# Altium PCB PCB_v3.PcbDoc (part 1 of 7) (continued)
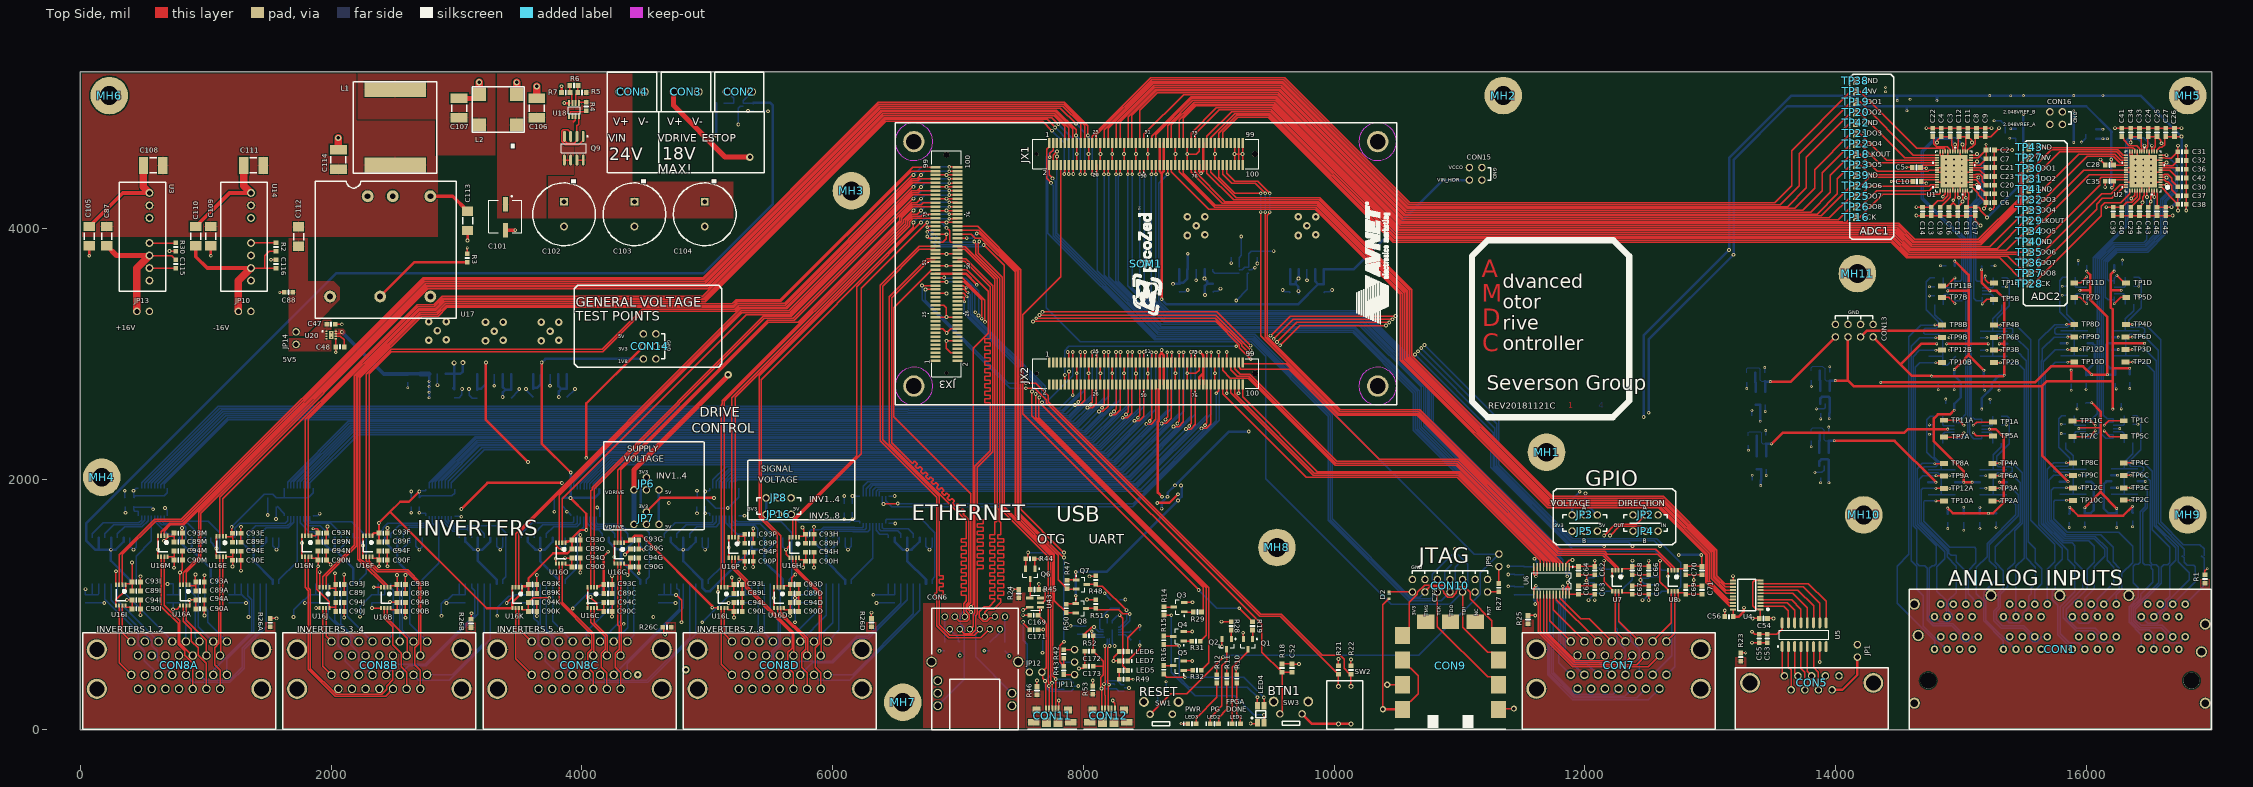
[diagram p0: Top Side view]
## Components (designator, comment, footprint, x,y, rotation, side; value= is the part's Value field where it differs from the comment) (continued)
C84 "Capacitor" 0603-CAP 12520,1255 r270 bottom value=100nF
C85 "Capacitor" 0603-CAP 9353.11,3771.54 r0 bottom value=1uF
C86 "Capacitor" 0603-CAP 9213.11,3771.54 r180 bottom value=1uF
C87 "Capacitor" 1808-CAP 210,3938.53 r270 top value="1000pF, 2kV"
C88 "Capacitor" 0603-CAP 1660,3490 r0 top value=10uF
C89A "Capacitor" 0603-CAP 955,1108.33 r180 top (schematic designator C89)
C89B "Capacitor" 0603-CAP 2559.24,1088.33 r180 top (schematic designator C89)
C89C "Capacitor" 0603-CAP 4207.15,1088.33 r180 top (schematic designator C89)
C89D "Capacitor" 0603-CAP 5695,1088.33 r180 top (schematic designator C89)
C89E "Capacitor" 0603-CAP 1246.77,1496.23 r180 top (schematic designator C89)
C89F "Capacitor" 0603-CAP 2415,1498.33 r180 top (schematic designator C89)
C89G "Capacitor" 0603-CAP 4420.54,1443.33 r180 top (schematic designator C89)
C89H "Capacitor" 0603-CAP 5817.54,1487.89 r180 top (schematic designator C89)
C89I "Capacitor" 0603-CAP 445,1108.33 r180 top (schematic designator C89)
C89J "Capacitor" 0603-CAP 2070,1088.33 r180 top (schematic designator C89)
C89K "Capacitor" 0603-CAP 3607.07,1088.33 r180 top (schematic designator C89)
C89L "Capacitor" 0603-CAP 5246.68,1088.33 r180 top (schematic designator C89)
C89M "Capacitor" 0603-CAP 780,1498.33 r180 top (schematic designator C89)
C89N "Capacitor" 0603-CAP 1928.88,1498.33 r180 top (schematic designator C89)
C89O "Capacitor" 0603-CAP 3954.02,1443.33 r180 top (schematic designator C89)
C89P "Capacitor" 0603-CAP 5333.18,1487.89 r180 top (schematic designator C89)
C90A "Capacitor" 0603-CAP 955,965 r0 top (schematic designator C90)
C90B "Capacitor" 0603-CAP 2559.24,945 r0 top (schematic designator C90)
C90C "Capacitor" 0603-CAP 4207.15,945 r0 top (schematic designator C90)
C90D "Capacitor" 0603-CAP 5695,945 r0 top (schematic designator C90)
C90E "Capacitor" 0603-CAP 1246.77,1352.89 r0 top (schematic designator C90)
C90F "Capacitor" 0603-CAP 2415,1355 r0 top (schematic designator C90)
C90G "Capacitor" 0603-CAP 4420.54,1300 r0 top (schematic designator C90)
C90H "Capacitor" 0603-CAP 5817.54,1344.56 r0 top (schematic designator C90)
C90I "Capacitor" 0603-CAP 445,965 r0 top (schematic designator C90)
C90J "Capacitor" 0603-CAP 2070,945 r0 top (schematic designator C90)
C90K "Capacitor" 0603-CAP 3607.07,945 r0 top (schematic designator C90)
C90L "Capacitor" 0603-CAP 5246.68,945 r0 top (schematic designator C90)
C90M "Capacitor" 0603-CAP 780,1355 r0 top (schematic designator C90)
C90N "Capacitor" 0603-CAP 1928.88,1355 r0 top (schematic designator C90)
C90O "Capacitor" 0603-CAP 3954.02,1300 r0 top (schematic designator C90)
C90P "Capacitor" 0603-CAP 5333.18,1344.56 r0 top (schematic designator C90)
C91A "Capacitor" 0603-CAP 6126.77,1806.75 r0 bottom value=100nF (schematic designator C91)
C91B "Capacitor" 0603-CAP 4951.91,1852.6 r0 bottom value=100nF (schematic designator C91)
C91C "Capacitor" 0603-CAP 3813.84,1852.6 r0 bottom value=100nF (schematic designator C91)
C91D "Capacitor" 0603-CAP 2669.84,1853.53 r0 bottom value=100nF (schematic designator C91)
C91E "Capacitor" 0603-CAP 1525,1850 r0 bottom value=100nF (schematic designator C91)
C91F "Capacitor" 0603-CAP 390,1855.46 r0 bottom value=100nF (schematic designator C91)
C92A "Capacitor" 0603-CAP 6126.77,1733.17 r180 bottom value=100nF (schematic designator C92)
C92B "Capacitor" 0603-CAP 4949.84,1780.53 r180 bottom value=100nF (schematic designator C92)
C92C "Capacitor" 0603-CAP 3813.84,1782.6 r180 bottom value=100nF (schematic designator C92)
C92D "Capacitor" 0603-CAP 2669.84,1781.67 r180 bottom value=100nF (schematic designator C92)
C92E "Capacitor" 0603-CAP 1526.54,1781.43 r180 bottom value=100nF (schematic designator C92)
C92F "Capacitor" 0603-CAP 389.63,1782.6 r180 bottom value=100nF (schematic designator C92)
C93A "Capacitor" 0603-CAP 955,1180 r180 top (schematic designator C93)
C93B "Capacitor" 0603-CAP 2559.24,1160 r180 top (schematic designator C93)
C93C "Capacitor" 0603-CAP 4207.15,1160 r180 top (schematic designator C93)
C93D "Capacitor" 0603-CAP 5695,1160 r180 top (schematic designator C93)
C93E "Capacitor" 0603-CAP 1246.77,1567.89 r180 top (schematic designator C93)
C93F "Capacitor" 0603-CAP 2415,1570 r180 top (schematic designator C93)
C93G "Capacitor" 0603-CAP 4420.54,1515 r180 top (schematic designator C93)
C93H "Capacitor" 0603-CAP 5817.54,1559.56 r180 top (schematic designator C93)
C93I "Capacitor" 0603-CAP 445,1180 r180 top (schematic designator C93)
C93J "Capacitor" 0603-CAP 2070,1160 r180 top (schematic designator C93)
C93K "Capacitor" 0603-CAP 3607.07,1160 r180 top (schematic designator C93)
C93L "Capacitor" 0603-CAP 5246.68,1160 r180 top (schematic designator C93)
C93M "Capacitor" 0603-CAP 780,1570 r180 top (schematic designator C93)
C93N "Capacitor" 0603-CAP 1928.88,1570 r180 top (schematic designator C93)
C93O "Capacitor" 0603-CAP 3954.02,1515 r180 top (schematic designator C93)
C93P "Capacitor" 0603-CAP 5333.18,1559.56 r180 top (schematic designator C93)
C94A "Capacitor" 0603-CAP 955,1036.67 r180 top (schematic designator C94)
C94B "Capacitor" 0603-CAP 2559.24,1016.67 r180 top (schematic designator C94)
C94C "Capacitor" 0603-CAP 4207.15,1016.67 r180 top (schematic designator C94)
C94D "Capacitor" 0603-CAP 5695,1016.67 r180 top (schematic designator C94)
C94E "Capacitor" 0603-CAP 1246.77,1424.56 r180 top (schematic designator C94)
C94F "Capacitor" 0603-CAP 2415,1426.67 r180 top (schematic designator C94)
C94G "Capacitor" 0603-CAP 4420.54,1371.67 r180 top (schematic designator C94)
C94H "Capacitor" 0603-CAP 5817.54,1416.23 r180 top (schematic designator C94)
C94I "Capacitor" 0603-CAP 445,1036.67 r180 top (schematic designator C94)
C94J "Capacitor" 0603-CAP 2070,1016.67 r180 top (schematic designator C94)
C94K "Capacitor" 0603-CAP 3607.07,1016.67 r180 top (schematic designator C94)
C94L "Capacitor" 0603-CAP 5246.68,1016.67 r180 top (schematic designator C94)
C94M "Capacitor" 0603-CAP 780,1426.67 r180 top (schematic designator C94)
C94N "Capacitor" 0603-CAP 1928.88,1426.67 r180 top (schematic designator C94)
C94O "Capacitor" 0603-CAP 3954.02,1371.67 r180 top (schematic designator C94)
C94P "Capacitor" 0603-CAP 5333.18,1416.23 r180 top (schematic designator C94)
C95A "Capacitor" 0603-CAP 5748.31,1046.3 r270 bottom value=1uF (schematic designator C95)
C95B "Capacitor" 0603-CAP 4610,1046.3 r270 bottom value=1uF (schematic designator C95)
C95C "Capacitor" 0603-CAP 3470,1046.3 r270 bottom value=1uF (schematic designator C95)
C95D "Capacitor" 0603-CAP 2325.38,1046.3 r270 bottom value=1uF (schematic designator C95)
C95E "Capacitor" 0603-CAP 1184.02,1046.3 r270 bottom value=1uF (schematic designator C95)
C95F "Capacitor" 0603-CAP 40,1046.3 r270 bottom value=1uF (schematic designator C95)
C96A "Capacitor" 0603-CAP 6398.31,1046.3 r270 bottom value=1uF (schematic designator C96)
C96B "Capacitor" 0603-CAP 5243.26,1046.3 r270 bottom value=1uF (schematic designator C96)
C96C "Capacitor" 0603-CAP 4115.67,1046.3 r270 bottom value=1uF (schematic designator C96)
C96D "Capacitor" 0603-CAP 2970,1046.3 r270 bottom value=1uF (schematic designator C96)
C96E "Capacitor" 0603-CAP 1830.67,1046.3 r270 bottom value=1uF (schematic designator C96)
C96F "Capacitor" 0603-CAP 690,1046.3 r270 bottom value=1uF (schematic designator C96)
C97A "Capacitor" 0603-CAP 5799.98,1046.3 r270 bottom value=100nF (schematic designator C97)
C97B "Capacitor" 0603-CAP 4658.45,1046.3 r270 bottom value=100nF (schematic designator C97)
C97C "Capacitor" 0603-CAP 3516.91,1046.3 r270 bottom value=100nF (schematic designator C97)
C97D "Capacitor" 0603-CAP 2375.38,1046.3 r270 bottom value=100nF (schematic designator C97)
C97E "Capacitor" 0603-CAP 1232.7,1046.3 r270 bottom value=100nF (schematic designator C97)
C97F "Capacitor" 0603-CAP 140,1046.3 r270 bottom value=100nF (schematic designator C97)
C98A "Capacitor" 0603-CAP 6444.98,1046.3 r270 bottom value=100nF (schematic designator C98)
C98B "Capacitor" 0603-CAP 5298.26,1046.3 r270 bottom value=100nF (schematic designator C98)
C98C "Capacitor" 0603-CAP 4163.84,1046.3 r270 bottom value=100nF (schematic designator C98)
C98D "Capacitor" 0603-CAP 3020.38,1046.3 r270 bottom value=100nF (schematic designator C98)
C98E "Capacitor" 0603-CAP 1877.7,1046.3 r270 bottom value=100nF (schematic designator C98)
C98F "Capacitor" 0603-CAP 738.31,1046.3 r270 bottom value=100nF (schematic designator C98)
C99A "Capacitor" 0603-CAP 5849.98,1046.3 r270 bottom value=100nF (schematic designator C99)
C99B "Capacitor" 0603-CAP 4708.45,1046.3 r270 bottom value=100nF (schematic designator C99)
C99C "Capacitor" 0603-CAP 3566.91,1046.3 r270 bottom value=100nF (schematic designator C99)
C99D "Capacitor" 0603-CAP 2425.38,1046.3 r270 bottom value=100nF (schematic designator C99)
C99E "Capacitor" 0603-CAP 1282.7,1046.3 r270 bottom value=100nF (schematic designator C99)
C99F "Capacitor" 0603-CAP 90,1046.3 r270 bottom value=100nF (schematic designator C99)
C100A "Capacitor" 0603-CAP 6494.98,1046.3 r270 bottom value=100nF (schematic designator C100)
C100B "Capacitor" 0603-CAP 5353.26,1046.3 r270 bottom value=100nF (schematic designator C100)
C100C "Capacitor" 0603-CAP 4213.84,1046.3 r270 bottom value=100nF (schematic designator C100)
C100D "Capacitor" 0603-CAP 3070,1046.3 r270 bottom value=100nF (schematic designator C100)
C100E "Capacitor" 0603-CAP 1927.7,1046.3 r270 bottom value=100nF (schematic designator C100)
C100F "Capacitor" 0603-CAP 790,1046.3 r270 bottom value=100nF (schematic designator C100)
C101 "Cap Pol1" "CAP - UWT1V101MCL1GS" 3518.85,4226.17 r270 top
C102 "Cap Pol1" "CAP - UVR1H102MHD1TO" 3857.67,4213.07 r270 top
C103 "Cap Pol1" "CAP - UVR1H102MHD1TO" 4418.81,4213.07 r270 top
C104 "Cap Pol1" "CAP - UVR1H102MHD1TO" 4979.96,4213.07 r270 top
C105 "Capacitor" 1808-CAP 70,3938.53 r270 top value="1000pF, 2kV"
C106 "Capacitor" 1812-CAP 3640,4960.47 r270 top value="6.8uF, 50V"
C107 "Capacitor" 1812-CAP 3020.38,4960.47 r270 top value="6.8uF, 50V"
C108 "Capacitor" 1812-CAP 580,4502.65 r0 top value="6.8uF, 50V"
C109 "Capacitor" 1808-CAP 1040,3938.53 r270 top value="1000pF, 2kV"
C110 "Capacitor" 1808-CAP 920,3938.53 r270 top value="1000pF, 2kV"
C111 "Capacitor" 1812-CAP 1380,4502.65 r0 top value="6.8uF, 50V"
C112 "Capacitor" 1808-CAP 1740,3935 r270 top value="1000pF, 2kV"
C113 "Capacitor" 1808-CAP 3088.08,4061.28 r270 top value="1000pF, 2kV"
C114 "Capacitor" 1812-CAP 2056.83,4549.52 r270 top value="6.8uF, 50V"
C115 "Capacitor" 0603-CAP 760,3717.28 r90 top value=10uF
C116 "Capacitor" 0603-CAP 1560,3717.28 r90 top value=10uF
C157A "Capacitor" 0603-CAP 3880,2686.53 r270 bottom value=10uF (schematic designator C157)
C157B "Capacitor" 0603-CAP 9034.02,3525 r270 bottom value=10uF (schematic designator C157)
C158A "Capacitor" 0603-CAP 3611.97,2686.53 r270 bottom value=10uF (schematic designator C158)
C158B "Capacitor" 0603-CAP 8766.02,3525 r270 bottom value=10uF (schematic designator C158)
C161 "Capacitor" 0603-CAP 3435,2680 r270 bottom value=10uF
C162 "Capacitor" 0603-CAP 3167,2680 r270 bottom value=10uF
C163A "Capacitor" 0603-CAP 2610,2807.22 r270 bottom value=10uF (schematic designator C163)
C163B "Capacitor" 0603-CAP 9649.88,3521.54 r270 bottom value=10uF (schematic designator C163)
C164A "Capacitor" 0603-CAP 2981.41,2685 r270 bottom value=10uF (schematic designator C164)
C164B "Capacitor" 0603-CAP 9917.88,3521.54 r270 bottom value=10uF (schematic designator C164)
C165A "Capacitor" 0603-CAP 13914.67,2010 r0 bottom value=2.2uF (schematic designator C165)
C165B "Capacitor" 0603-CAP 13916.73,2525 r0 bottom value=2.2uF (schematic designator C165)
C166A "Capacitor" 0603-CAP 13947.07,2339.13 r270 bottom value=2.2uF (schematic designator C166)
C166B "Capacitor" 0603-CAP 13954.13,2820.59 r270 bottom value=2.2uF (schematic designator C166)
C167A "Capacitor" 0603-CAP 13369.67,1990 r180 bottom value=2.2uF (schematic designator C167)
C167B "Capacitor" 0603-CAP 13366.73,2507.65 r180 bottom value=2.2uF (schematic designator C167)
C168A "Capacitor" 0603-CAP 13444.67,2315 r90 bottom value=2.2uF (schematic designator C168)
C168B "Capacitor" 0603-CAP 13436.73,2815 r90 bottom value=2.2uF (schematic designator C168)
C169 "Capacitor" 0603-CAP 7605,915 r0 top value=2.2uF
C170 "Capacitor" 1812-CAP 7597.52,715 r180 bottom value=100uF
C171 "Capacitor" 0603-CAP 7605,800 r180 top value=22uF
C172 "Capacitor" 0603-CAP 8046.26,626.57 r180 top value=0.1uF
C173 "Capacitor" 0603-CAP 8046.26,506.57 r180 top value=2.2uF
C174 "Capacitor" 0603-CAP 8025,795 r270 bottom value=0.1uF
C175 "Capacitor" 0603-CAP 7950,795 r270 bottom value=2.2uF
C176 "Capacitor" 0603-CAP 8220,1005 r270 bottom value=0.1uF
C179A "Capacitor" 0603-CAP 15280.71,1694.66 r270 bottom value=1uF (schematic designator C179)
C179B "Capacitor" 0603-CAP 15305,2792.4 r270 bottom value=1uF (schematic designator C179)
C179C "Capacitor" 0603-CAP 16370.46,1700 r270 bottom value=1uF (schematic designator C179)
C179D "Capacitor" 0603-CAP 16347.98,2805 r270 bottom value=1uF (schematic designator C179)
C180A "Capacitor" 0603-CAP 15152.2,1690.02 r270 bottom value=1uF (schematic designator C180)
C180B "Capacitor" 0603-CAP 15184.03,2789.06 r270 bottom value=1uF (schematic designator C180)
C180C "Capacitor" 0603-CAP 16243.03,1694.66 r270 bottom value=1uF (schematic designator C180)
C180D "Capacitor" 0603-CAP 16230,2800 r270 bottom value=1uF (schematic designator C180)
C181A "Capacitor" 0603-CAP 15290,2432.62 r180 bottom (schematic designator C181)
C181B "Capacitor" 0603-CAP 15294,3535 r180 bottom (schematic designator C181)
C181C "Capacitor" 0603-CAP 16336.54,2437.26 r180 bottom (schematic designator C181)
C181D "Capacitor" 0603-CAP 16346.1,3539.79 r180 bottom (schematic designator C181)
C182A "Capacitor" 0603-CAP 15290,2357.62 r0 bottom (schematic designator C182)
C182B "Capacitor" 0603-CAP 15294,3460 r0 bottom (schematic designator C182)
C182C "Capacitor" 0603-CAP 16336.54,2362.26 r0 bottom (schematic designator C182)
C182D "Capacitor" 0603-CAP 16346.1,3464.79 r0 bottom (schematic designator C182)
C183A "Capacitor" 0603-CAP 14895,1690.02 r270 bottom value=1uF (schematic designator C183)
C183B "Capacitor" 0603-CAP 14820,2789.06 r270 bottom value=1uF (schematic designator C183)
C183C "Capacitor" 0603-CAP 15865,1690 r270 bottom value=1uF (schematic designator C183)
C183D "Capacitor" 0603-CAP 15880.54,2795 r270 bottom value=1uF (schematic designator C183)
C184A "Capacitor" 0603-CAP 15023,1690 r270 bottom value=1uF (schematic designator C184)
C184B "Capacitor" 0603-CAP 14946.95,2792.4 r270 bottom value=1uF (schematic designator C184)
C184C "Capacitor" 0603-CAP 15989.49,1694.66 r270 bottom value=1uF (schematic designator C184)
C184D "Capacitor" 0603-CAP 15999.06,2797.19 r270 bottom value=1uF (schematic designator C184)
C185A "Capacitor" 0603-CAP 14823.46,2359.31 r0 bottom (schematic designator C185)
C185B "Capacitor" 0603-CAP 14827.46,3461.69 r0 bottom (schematic designator C185)
C185C "Capacitor" 0603-CAP 15870,2363.95 r0 bottom (schematic designator C185)
C185D "Capacitor" 0603-CAP 15879.57,3466.48 r0 bottom (schematic designator C185)
C186A "Capacitor" 0603-CAP 14823.46,2432.62 r180 bottom (schematic designator C186)
C186B "Capacitor" 0603-CAP 14827.46,3535 r180 bottom (schematic designator C186)
C186C "Capacitor" 0603-CAP 15870,2437.26 r180 bottom (schematic designator C186)
C186D "Capacitor" 0603-CAP 15879.57,3539.79 r180 bottom (schematic designator C186)
C187A "Capacitor" 0603-CAP 15200,2600.36 r180 bottom value=1uF (schematic designator C187)
C187B "Capacitor" 0603-CAP 15204,3702.74 r180 bottom value=1uF (schematic designator C187)
C187C "Capacitor" 0603-CAP 16246.54,2605 r180 bottom value=1uF (schematic designator C187)
C187D "Capacitor" 0603-CAP 16256.1,3707.53 r180 bottom value=1uF (schematic designator C187)
C188A "Capacitor" 0603-CAP 14914,2600.36 r0 bottom value=1uF (schematic designator C188)
C188B "Capacitor" 0603-CAP 14918,3702.74 r0 bottom value=1uF (schematic designator C188)
C188C "Capacitor" 0603-CAP 15960.54,2605 r0 bottom value=1uF (schematic designator C188)
C188D "Capacitor" 0603-CAP 15970.1,3707.53 r0 bottom value=1uF (schematic designator C188)
CON1 "5569257-1" 5569257-1 14588.16,10 r0 top
CON2 "ScrewTerminal_1x2" 1935161 5255.02,5090 r0 top
CON3 "ScrewTerminal_1x2" 1935161 4830,5090 r0 top
CON4 "ScrewTerminal_1x2" 1935161 4400,5090 r0 top
CON5 "A-DF 09 A/KG-T2S" "A-DF 09 A/KG-T2S" 13810,375 r0 top
CON6 "L829-1J1T-43" L829-1J1T-43 7135,803.03 r180 top
CON7 "178-015-513R571" 178-015-513R571 12269.5,706 r0 top
CON8A "178-015-513R571" 178-015-513R571 786.5,705 r0 top (schematic designator CON8)
CON8B "178-015-513R571" 178-015-513R571 2383.83,705 r0 top (schematic designator CON8)
CON8C "178-015-513R571" 178-015-513R571 3981.17,705 r0 top (schematic designator CON8)
CON8D "178-015-513R571" 178-015-513R571 5578.5,705 r0 top (schematic designator CON8)
CON9 "JTAG-SMT2" JTAG-SMT2 11312.72,458.43 r90 top
CON10 "JTAG" PIN_HEADER_2x7 10925,1200 r0 top
CON11 "1981584-1" 1981584-1 7752.36,167.4 r0 top
CON12 "1981584-1" 1981584-1 8199.72,167.4 r0 top
CON13 "PIN_2x4" PIN_HEADER_2x4 14150,3185 r180 top
CON14 "PIN_2x3" PIN_HEADER_2x3 4540,3059.17 r90 top
CON15 "PIN_2x2" PIN_HEADER_2x2 11130,4436.06 r90 top
CON16 "PIN_2x2" PIN_HEADER_2x2 15760,4880 r90 top
D1 "SP1001-04JTG" SC70-5 5248.18,4975 r270 bottom
D2 "RB521" SOD-523 10440,1075 r90 top
D3 "SP1001-04JTG" SC70-5 10964.18,1360 r0 bottom
D5A "TVS SMAJ22CA" SMA 15200,1245 r180 bottom (schematic designator D5)
D5B "TVS SMAJ22CA" SMA 15515,1245 r180 bottom (schematic designator D5)
D5C "TVS SMAJ22CA" SMA 16450,1252 r180 bottom (schematic designator D5)
D5D "TVS SMAJ22CA" SMA 16740.16,1255.23 r180 bottom (schematic designator D5)
D6A "TVS SMAJ22CA" SMA 15355,1393 r0 bottom (schematic designator D6)
D6B "TVS SMAJ22CA" SMA 15675,1390 r0 bottom (schematic designator D6)
D6C "TVS SMAJ22CA" SMA 16590,1390 r0 bottom (schematic designator D6)
D6D "TVS SMAJ22CA" SMA 16865,1390.39 r0 bottom (schematic designator D6)
D7 "SP1001-04JTG" SC70-5 7885,350 r270 bottom
D8 "SP1001-04JTG" SC70-5 8290,335 r270 bottom
D9A "TVS SMAJ22CA" SMA 14882.16,1245 r180 bottom (schematic designator D9)
D9B "TVS SMAJ22CA" SMA 14567.1,1245 r180 bottom (schematic designator D9)
D9C "TVS SMAJ22CA" SMA 16140.16,1250 r180 bottom (schematic designator D9)
D9D "TVS SMAJ22CA" SMA 15830,1255 r180 bottom (schematic designator D9)
D10A "TVS SMAJ22CA" SMA 15045,1393 r0 bottom (schematic designator D10)
D10B "TVS SMAJ22CA" SMA 14730,1390 r0 bottom (schematic designator D10)
D10C "TVS SMAJ22CA" SMA 16295,1395 r0 bottom (schematic designator D10)
D10D "TVS SMAJ22CA" SMA 15990.16,1390 r0 bottom (schematic designator D10)
JP1 "Jumper2" PIN_HEADER_1x2 14175,630 r270 top
JP2 "Jumper3" PIN_HEADER_1X3 12485,1715 r180 top
JP3 "Jumper3" PIN_HEADER_1X3 12000,1715 r0 top
JP4 "Jumper3" PIN_HEADER_1X3 12485,1585 r180 top
JP5 "Jumper3" PIN_HEADER_1X3 12000,1585 r0 top
JP6 "Jumper4T" PIN_HEADER_1X3T 4515,1914.99 r0 top
JP7 "Jumper4T" PIN_HEADER_1X3T 4515,1640 r0 top
JP8 "Jumper3" PIN_HEADER_1X3 5569.83,1850 r0 top
JP9 "Jumper2" PIN_HEADER_1x2 11315,1352.89 r270 top
JP10 "Jumper2" PIN_HEADER_1x2 1310,3338.53 r0 top
JP11 "Jumper3" PIN_HEADER_1X3 7930,540 r270 top
JP12 "Jumper2" PIN_HEADER_1x2 7620,460 r180 top
JP13 "Jumper2" PIN_HEADER_1x2 500,3338.53 r180 top
JP14 "Jumper2" PIN_HEADER_1x2 1719.95,3125 r90 top
JP16 "Jumper3" PIN_HEADER_1X3 5570,1720 r0 top
L1 "IND SRP1770TA-101M" "IND - SRP1770TA-101M" 2510,5110 r270 top
L2 "CMC  744273801" "CMC 744273801" 3479.21,4825.9 r180 top
LED1 "LED" 0603-LED 9220,50 r0 top value=YELLOW
LED2 "LED" 0603-LED 9045,50 r0 top value=RED
LED3 "LED" 0603-LED 8866.15,50 r0 top value=GREEN
LED4 "LED_RGB_CA" 1210-LED-RGB-CA 9415.3,125 r180 top
LED5 "LED" 0603-LED 8320,473.53 r180 top value=YELLOW
LED6 "LED" 0603-LED 8320,625 r180 top value=GREEN
LED7 "LED" 0603-LED 8320,550 r180 top value=BLUE
MH1 "MOUNT_HOLE" MOUNTING_HOLE#1 11695,2215 r0 top
MH2 "MOUNT_HOLE" MOUNTING_HOLE#1 11350,5060 r0 top
MH3 "MOUNT_HOLE" MOUNTING_HOLE#1 6150,4300 r0 top
MH4 "MOUNT_HOLE" MOUNTING_HOLE#1 170,2014.99 r0 top
MH5 "MOUNT_HOLE" MOUNTING_HOLE#1 16810,5060 r0 top
MH6 "MOUNT_HOLE" MOUNTING_HOLE#1 230,5060 r0 top
MH7 "MOUNT_HOLE" MOUNTING_HOLE#1 6560,220 r0 top
MH8 "MOUNT_HOLE" MOUNTING_HOLE#1 9544.54,1455 r0 top
MH9 "MOUNT_HOLE" MOUNTING_HOLE#2 16806.06,1715 r0 top
MH10 "MOUNT_HOLE" MOUNTING_HOLE#3 14223.26,1366.16 r0 top
MH11 "MOUNT_HOLE" MOUNTING_HOLE#4 14175,3639.14 r0 top
Q1 "MOSFET" SOT95P250-3N 9313.74,683.66 r270 top
Q2 "MOSFET" SOT95P250-3N 9143.74,683.66 r270 top
Q3 "MOSFET" SOT95P250-3N 8763.62,979.8 r180 top
Q4 "MOSFET" SOT95P250-3N 8759.26,745.82 r180 top
Q5 "MOSFET" SOT95P250-3N 8759.26,512.4 r180 top
Q6 "MOSFET" SOT95P250-3N 7576.54,1245 r270 top
Q7 "MOSFET" SOT95P250-3N 7985,1160 r0 top
Q8 "MOSFET" SOT95P250-3N 7980,970 r0 top
Q9 "Si4946" SO8_N 3935.67,4640.12 r270 top
R1 "Resistor" 0603-RES 16947.5,1203.66 r270 top value=0
R2 "Resistor" 0603-RES 1560,3851.99 r90 top
R3 "Resistor" 0603-RES 3085,3765.13 r270 top
R4 "Res" 0603-RES 4034.81,4972.48 r90 top
R5 "Res" 0603-RES 4001.34,5085.12 r0 top
R6 "Res" 0603-RES 3936.04,5140.12 r0 top
R7 "Res" 0603-RES 3870.89,5085.12 r0 top
R10 "Resistor" 0603-RES 9225,407.6 r90 top value=240
R11 "Resistor" 0603-RES 9145,407.6 r90 top value=240
R12 "Resistor" 0603-RES 9065,407.6 r90 top
R13 "Resistor" 0603-RES 5100,5000.59 r0 bottom value=100
R14 "Resistor" 0603-RES 8643.62,949.8 r270 top value=240
R15 "Resistor" 0603-RES 8640.6,714.8 r270 top value=240
R16 "Resistor" 0603-RES 8640.6,479.8 r270 top value=240
R17 "Resistor" 0603-RES 5440,4970 r90 bottom value=10k
R18 "Resistor" 0603-RES 9585,492.6 r270 top value=10k
R19 "Resistor" 0603-RES 9350,830 r90 top value=100
R21 "Resistor" 0603-RES 10035,478.46 r270 top value=10k
R22 "Resistor" 0603-RES 10135,478.46 r270 top value=10k
R23 "Resistor" 0603-RES 13243.97,580 r90 top value=0
R24 "Resistor" 0603-RES 7483.7,1086.77 r270 top value=0
R25 "Resistor" 0603-RES 11547.37,879.38 r90 top value=0
R26A "Resistor" 0603-RES 1514.76,855.12 r270 top (schematic designator R26)
R26B "Resistor" 0603-RES 3115.03,850 r270 top (schematic designator R26)
R26C "Resistor" 0603-RES 4678.46,820 r0 top (schematic designator R26)
R26D "Resistor" 0603-RES 6310,855.82 r270 top (schematic designator R26)
R27 "Resistor" 0603-RES 11315,1134.25 r270 top value=100
R28 "Resistor" 0603-RES 9179.65,830 r90 top value=100
R29 "Resistor" 0603-RES 8910,940.36 r0 top value=100
R30 "Resistor" 0603-RES 760.71,3851.99 r90 top
R31 "Resistor" 0603-RES 8899.62,708.22 r0 top value=100
R32 "Resistor" 0603-RES 8906.34,475 r0 top value=100
R38A "Resistor" 0603-RES 13839.67,2370 r180 bottom (schematic designator R38)
R38B "Resistor" 0603-RES 13841.73,2863.06 r180 bottom (schematic designator R38)
R39A "Resistor" 0603-RES 13839.67,2305.67 r0 bottom value=10k (schematic designator R39)
R39B "Resistor" 0603-RES 13841.73,2789.06 r0 bottom value=10k (schematic designator R39)
R40A "Resistor" 0603-RES 13339.67,2270 r180 bottom (schematic designator R40)
R40B "Resistor" 0603-RES 13326.73,2775 r180 bottom (schematic designator R40)
R41A "Resistor" 0603-RES 13339.67,2345 r0 bottom (schematic designator R41)
R41B "Resistor" 0603-RES 13326.73,2848.94 r0 bottom (schematic designator R41)
R42 "Resistor" 0603-RES 7845,605 r90 top value=1k
R43 "Resistor" 0603-RES 7845,475 r270 top value=10k
R44 "Resistor" 0603-RES 7575,1365 r0 top value=10k
R45 "Resistor" 0603-RES 7610,1120 r0 top value=10k
R46 "Resistor" 0603-RES 7630,313.03 r90 top value=0
R47 "Resistor" 0603-RES 7870,1160 r90 top value=10k
R48 "Resistor" 0603-RES 8100,1195 r90 top value=10k
R49 "Resistor" 0603-RES 8320,403.98 r0 top
R50 "Resistor" 0603-RES 7865,970 r90 top value=10k
R51 "Resistor" 0603-RES 8098.75,1005 r90 top value=10k
R52 "Resistor" 0603-RES 8045,750 r0 top value=100
R53 "Resistor" 0603-RES 8076.26,316.57 r90 top value=0
R54 "Resistor" 0603-RES 8415,790 r180 bottom value=330
R55 "Resistor" 0603-RES 8415,715 r180 bottom value=330
R56 "Resistor" 0603-RES 8290,1005 r270 bottom value=5.1k
R57A "Resistor" 0603-RES 15290,2502.62 r180 bottom (schematic designator R57)
R57B "Resistor" 0603-RES 15294,3605 r180 bottom (schematic designator R57)
R57C "Resistor" 0603-RES 16336.54,2507.26 r180 bottom (schematic designator R57)
R57D "Resistor" 0603-RES 16346.1,3609.79 r180 bottom (schematic designator R57)
R58A "Resistor" 0603-RES 15290,2287.22 r180 bottom (schematic designator R58)
R58B "Resistor" 0603-RES 15294,3389.61 r180 bottom (schematic designator R58)
R58C "Resistor" 0603-RES 16336.54,2291.86 r180 bottom (schematic designator R58)
R58D "Resistor" 0603-RES 16346.1,3394.4 r180 bottom (schematic designator R58)
R59A "Resistor" 0603-RES 14823.46,2287.22 r0 bottom (schematic designator R59)
R59B "Resistor" 0603-RES 14827.46,3389.61 r0 bottom (schematic designator R59)
R59C "Resistor" 0603-RES 15870,2291.86 r0 bottom (schematic designator R59)
R59D "Resistor" 0603-RES 15879.57,3394.4 r0 bottom (schematic designator R59)
R60A "Resistor" 0603-RES 14823.46,2502.62 r0 bottom (schematic designator R60)
R60B "Resistor" 0603-RES 14827.46,3605 r0 bottom (schematic designator R60)
R60C "Resistor" 0603-RES 15870,2507.26 r0 bottom (schematic designator R60)
R60D "Resistor" 0603-RES 15879.57,3609.79 r0 bottom (schematic designator R60)
SOM1 "PicoZed" PicoZedSOM 10498.31,2592.89 r90 top locked
SW1 "1825027-5" 1825027-5 8621.42,124.98 r0 top
SW2 "194-2MST" 194-2MST 10085,197.52 r180 top
SW3 "1825027-5" 1825027-5 9656.42,127.6 r0 top
TP1A "Test Point" RCU-0C#1 15256.54,2455 r90 top (schematic designator TP1)
TP1B "Test Point" RCU-0C#1 15265,3565 r90 top (schematic designator TP1)
TP1C "Test Point" RCU-0C#1 16300,2465.87 r90 top (schematic designator TP1)
TP1D "Test Point" RCU-0C#1 16319,3565 r90 top (schematic designator TP1)
TP2A "Test Point" RCU-0C#1 15253.19,1826.42 r90 top (schematic designator TP2)
TP2B "Test Point" RCU-0C#1 15265,2930 r90 top (schematic designator TP2)
TP2C "Test Point" RCU-0C#1 16300,1835 r90 top (schematic designator TP2)
TP2D "Test Point" RCU-0C#1 16315,2935 r90 top (schematic designator TP2)
TP3A "Test Point" RCU-0C#1 15253.19,1926.42 r90 top (schematic designator TP3)
TP3B "Test Point" RCU-0C#1 15265,3030 r90 top (schematic designator TP3)
TP3C "Test Point" RCU-0C#1 16300,1930 r90 top (schematic designator TP3)
TP3D "Test Point" RCU-0C#1 16315,3035 r90 top (schematic designator TP3)
TP4A "Test Point" RCU-0C#1 15253.19,2125 r90 top (schematic designator TP4)
TP4B "Test Point" RCU-0C#1 15265,3229.7 r90 top (schematic designator TP4)
TP4C "Test Point" RCU-0C#1 16300,2130 r90 top (schematic designator TP4)
TP4D "Test Point" RCU-0C#1 16319,3235 r90 top (schematic designator TP4)
TP5A "Test Point" RCU-0C#1 15256.54,2345 r90 top (schematic designator TP5)
TP5B "Test Point" RCU-0C#1 15265,3435 r90 top (schematic designator TP5)
TP5C "Test Point" RCU-0C#1 16300,2340 r90 top (schematic designator TP5)
TP5D "Test Point" RCU-0C#1 16320,3450.17 r90 top (schematic designator TP5)
TP6A "Test Point" RCU-0C#1 15253.19,2026.42 r90 top (schematic designator TP6)
TP6B "Test Point" RCU-0C#1 15265,3130 r90 top (schematic designator TP6)
TP6C "Test Point" RCU-0C#1 16300,2030 r90 top (schematic designator TP6)
TP6D "Test Point" RCU-0C#1 16315,3135 r90 top (schematic designator TP6)
TP7A "Test Point" RCU-0C#2 14865,2335 r90 top (schematic designator TP7)
TP7B "Test Point" RCU-0C#1 14850,3450 r90 top (schematic designator TP7)
TP7C "Test Point" RCU-0C#1 15890.16,2340 r90 top (schematic designator TP7)
TP7D "Test Point" RCU-0C#1 15905,3450.17 r90 top (schematic designator TP7)
TP8A "Test Point" RCU-0C#1 14864.65,2125 r90 top (schematic designator TP8)
TP8B "Test Point" RCU-0C#1 14850,3229.7 r90 top (schematic designator TP8)
TP8C "Test Point" RCU-0C#1 15895,2130 r90 top (schematic designator TP8)
TP8D "Test Point" RCU-0C#1 15905,3235 r90 top (schematic designator TP8)
TP9A "Test Point" RCU-0C#1 14864.65,2025 r90 top (schematic designator TP9)
TP9B "Test Point" RCU-0C#1 14850,3130 r90 top (schematic designator TP9)
TP9C "Test Point" RCU-0C#1 15895,2030 r90 top (schematic designator TP9)
TP9D "Test Point" RCU-0C#1 15905,3135.21 r90 top (schematic designator TP9)
TP10A "Test Point" RCU-0C#1 14864.65,1826.91 r90 top (schematic designator TP10)
TP10B "Test Point" RCU-0C#1 14850,2930 r90 top (schematic designator TP10)
TP10C "Test Point" RCU-0C#1 15895,1830 r90 top (schematic designator TP10)
TP10D "Test Point" RCU-0C#1 15905,2935 r90 top (schematic designator TP10)
TP11A "Test Point" RCU-0C#1 14864.65,2470 r90 top (schematic designator TP11)
TP11B "Test Point" RCU-0C#1 14850,3540 r90 top (schematic designator TP11)
TP11C "Test Point" RCU-0C#1 15890,2465 r90 top (schematic designator TP11)
TP11D "Test Point" RCU-0C#1 15905,3565 r90 top (schematic designator TP11)
TP12A "Test Point" RCU-0C#1 14864.65,1926.91 r90 top (schematic designator TP12)
TP12B "Test Point" RCU-0C#1 14850,3029 r90 top (schematic designator TP12)
TP12C "Test Point" RCU-0C#1 15895,1930 r90 top (schematic designator TP12)
TP12D "Test Point" RCU-0C#1 15905,3035 r90 top (schematic designator TP12)
TP14 "Test Point" RCU-0C#3 14153.46,5092.75 r0 top
TP16 "Test Point" RCU-0C#4 14155,4090 r0 top
TP18 "Test Point" RCU-0C#1 14160,4591.37 r0 top
TP19 "Test Point" RCU-0C#1 14160,5009.19 r0 top
TP20 "Test Point" RCU-0C#1 14160,4925.62 r0 top
TP21 "Test Point" RCU-0C#1 14160,4758.5 r0 top
TP22 "Test Point" RCU-0C#1 14160,4674.94 r0 top
TP23 "Test Point" RCU-0C#1 14160,4507.81 r0 top
TP24 "Test Point" RCU-0C#1 14160,4340.69 r0 top
TP25 "Test Point" RCU-0C#1 14160,4257.12 r0 top
TP26 "Test Point" RCU-0C#5 14150,4173.56 r0 top
TP27 "Test Point" RCU-0C#1 15545,4563 r180 top
TP28 "Test Point" RCU-0C#1 15545,3560 r180 top
TP29 "Test Point" RCU-0C#1 15545,4061.5 r180 top
TP30 "Test Point" RCU-0C#1 15545,4479.42 r180 top
TP31 "Test Point" RCU-0C#1 15545,4395.83 r180 top
TP32 "Test Point" RCU-0C#1 15545,4228.67 r180 top
TP33 "Test Point" RCU-0C#1 15545,4145.08 r180 top
TP34 "Test Point" RCU-0C#1 15545,3977.92 r180 top
TP35 "Test Point" RCU-0C#1 15545,3810.75 r180 top
TP36 "Test Point" RCU-0C#1 15545,3727.17 r180 top
TP37 "Test Point" RCU-0C#1 15545,3643.58 r180 top
TP38 "Test Point" RCU-0C#6 14164.18,5173.81 r0 top
TP39 "Test Point" RCU-0C#7 14150.8,4429.25 r0 top
TP40 "Test Point" RCU-0C#1 15545,3894.33 r180 top
TP41 "Test Point" RCU-0C#1 15545,4312.25 r180 top
TP42 "Test Point" RCU-0C#1 14160,4842.06 r180 top
TP43 "Test Point" RCU-0C#1 15545,4646.58 r180 top
U1 "LTC2320-14" QFN52 14945,4456.54 r180 top
U2 "LTC2320-14" QFN52 16455,4456.54 r180 top
U3 "DCDC Converter RS6" "RS6 DCDC" 550,4283.81 r270 top
U4 "ADG3308" TSSOP-20 13401.9,962.05 r90 top
U5 "MAX3097E" SOIC16_N 13750,759.18 r90 top
U6 "SN74LVC8T245PWR" TSSOP24 11735,1190 r180 top
U7 "SN74LVC2T45DCTR" SM8 12295.98,1190.01 r180 top
U8 "SN74LVC2T45DCTR" SM8 12741.77,1190.01 r180 top
U9 "SN74LVC8T245PWR" TSSOP24 11735,1190 r0 bottom
U10 "SN74LVC2T45DCTR" SM8 12220,1190 r0 bottom
U11 "SN74LVC2T45DCTR" SM8 12665,1190 r0 bottom
U12A "TC4468" "SOIC16_N - wide" 5799.98,1532.09 r270 bottom locked (schematic designator U12)
U12B "TC4468" "SOIC16_N - wide" 4658.45,1532.09 r270 bottom locked (schematic designator U12)
U12C "TC4468" "SOIC16_N - wide" 3516.91,1532.09 r270 bottom locked (schematic designator U12)
U12D "TC4468" "SOIC16_N - wide" 2375.38,1532.09 r270 bottom locked (schematic designator U12)
U12E "TC4468" "SOIC16_N - wide" 1232.7,1532.09 r270 bottom locked (schematic designator U12)
U12F "TC4468" "SOIC16_N - wide" 94.63,1532.09 r270 bottom locked (schematic designator U12)
U13A "ADG3308" TSSOP-20 6218.24,1865 r0 bottom (schematic designator U13)
U13B "ADG3308" TSSOP-20 5020.02,1927.6 r0 bottom (schematic designator U13)
U13C "ADG3308" TSSOP-20 3910.94,1920 r0 bottom (schematic designator U13)
U13D "ADG3308" TSSOP-20 2754.76,1927.6 r0 bottom (schematic designator U13)
U13E "ADG3308" TSSOP-20 1625.94,1927.6 r0 bottom (schematic designator U13)
U13F "ADG3308" TSSOP-20 462.72,1927.6 r0 bottom (schematic designator U13)
U14 "DCDC Converter RS6" "RS6 DCDC" 1360,4283.81 r270 top
U15A "TC4468" "SOIC16_N - wide" 6444.98,1533.62 r270 bottom locked (schematic designator U15)
U15B "TC4468" "SOIC16_N - wide" 5303.45,1533.62 r270 bottom locked (schematic designator U15)
U15C "TC4468" "SOIC16_N - wide" 4163.84,1533.62 r270 bottom locked (schematic designator U15)
U15D "TC4468" "SOIC16_N - wide" 3020.38,1533.62 r270 bottom locked (schematic designator U15)
U15E "TC4468" "SOIC16_N - wide" 1877.7,1533.62 r270 bottom locked (schematic designator U15)
U15F "TC4468" "SOIC16_N - wide" 739.63,1533.62 r270 bottom locked (schematic designator U15)
U16A "SN74LVC2T45DCTR" SM8 870,1075 r180 top (schematic designator U16)
U16B "SN74LVC2T45DCTR" SM8 2474.24,1055 r180 top (schematic designator U16)
U16C "SN74LVC2T45DCTR" SM8 4122.15,1055 r180 top (schematic designator U16)